# KiCad board pannel_v2.kicad_pcb
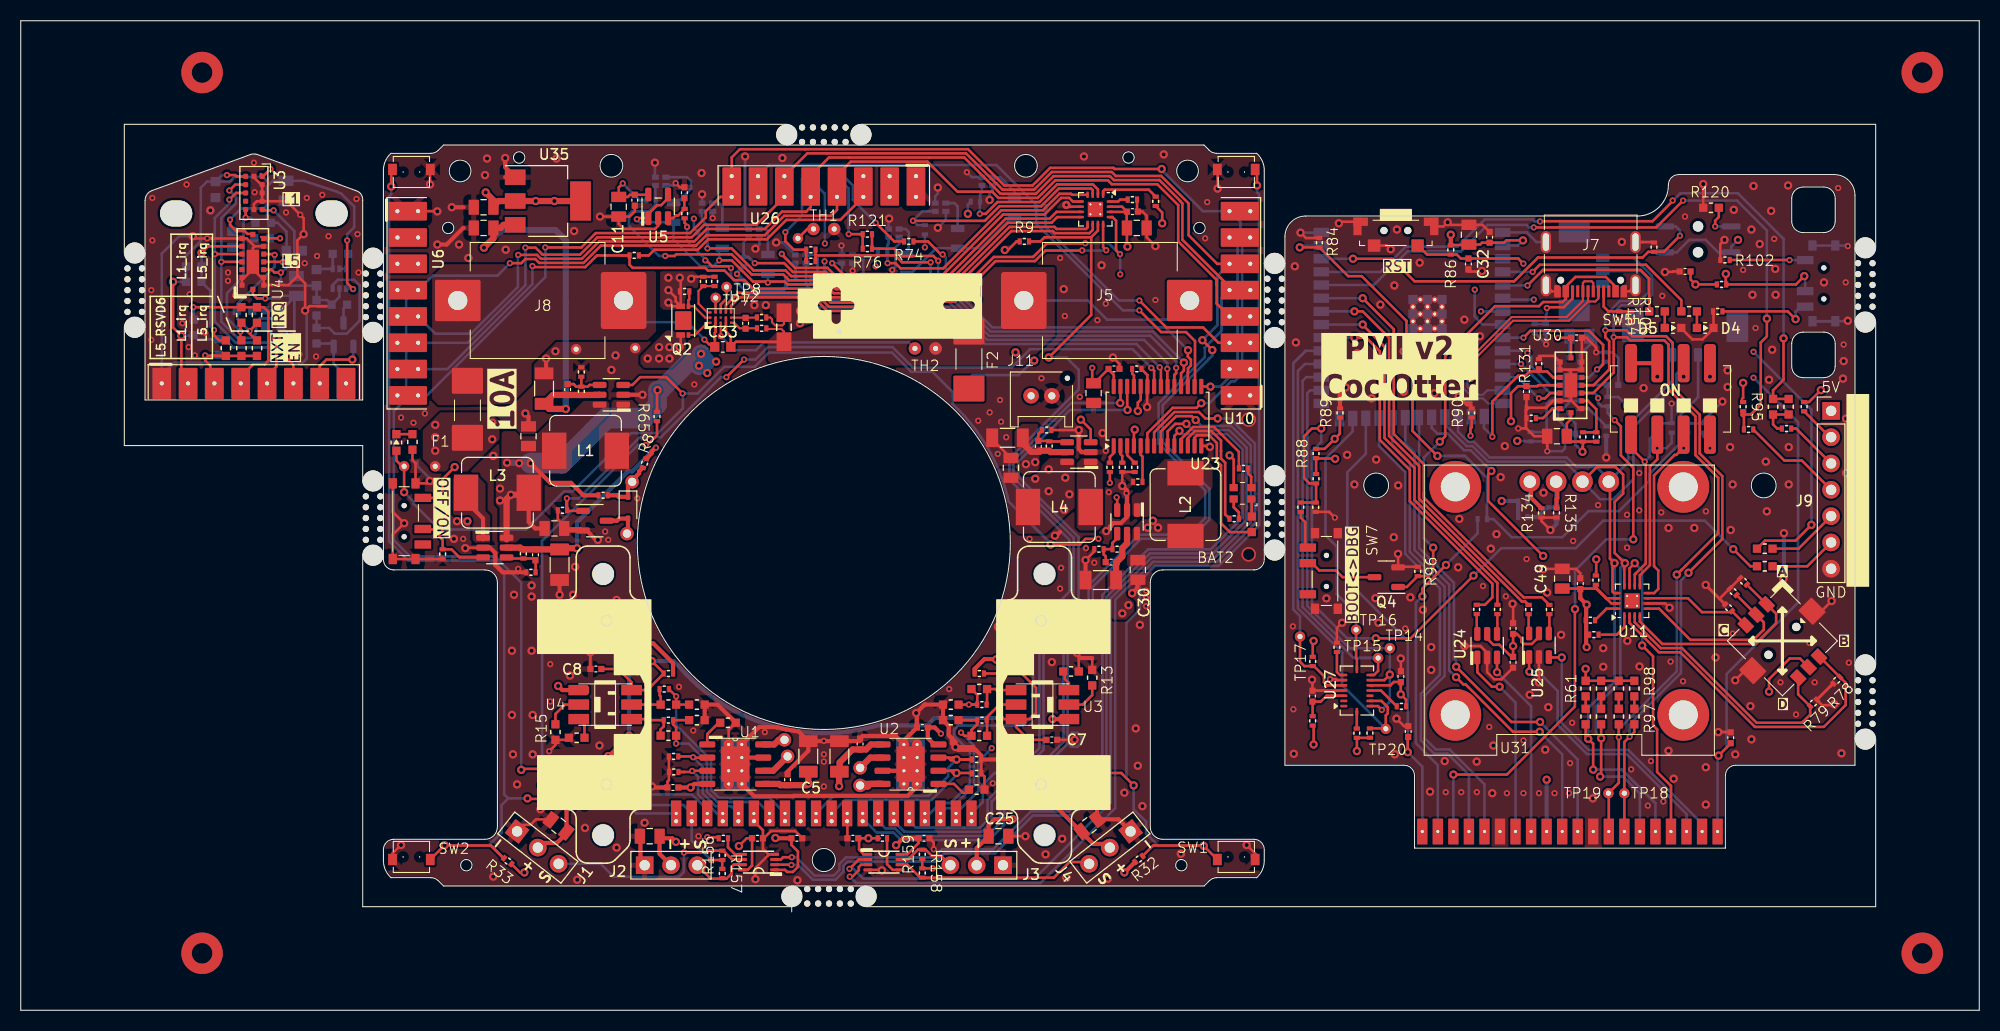
[diagram p0: board, top side]
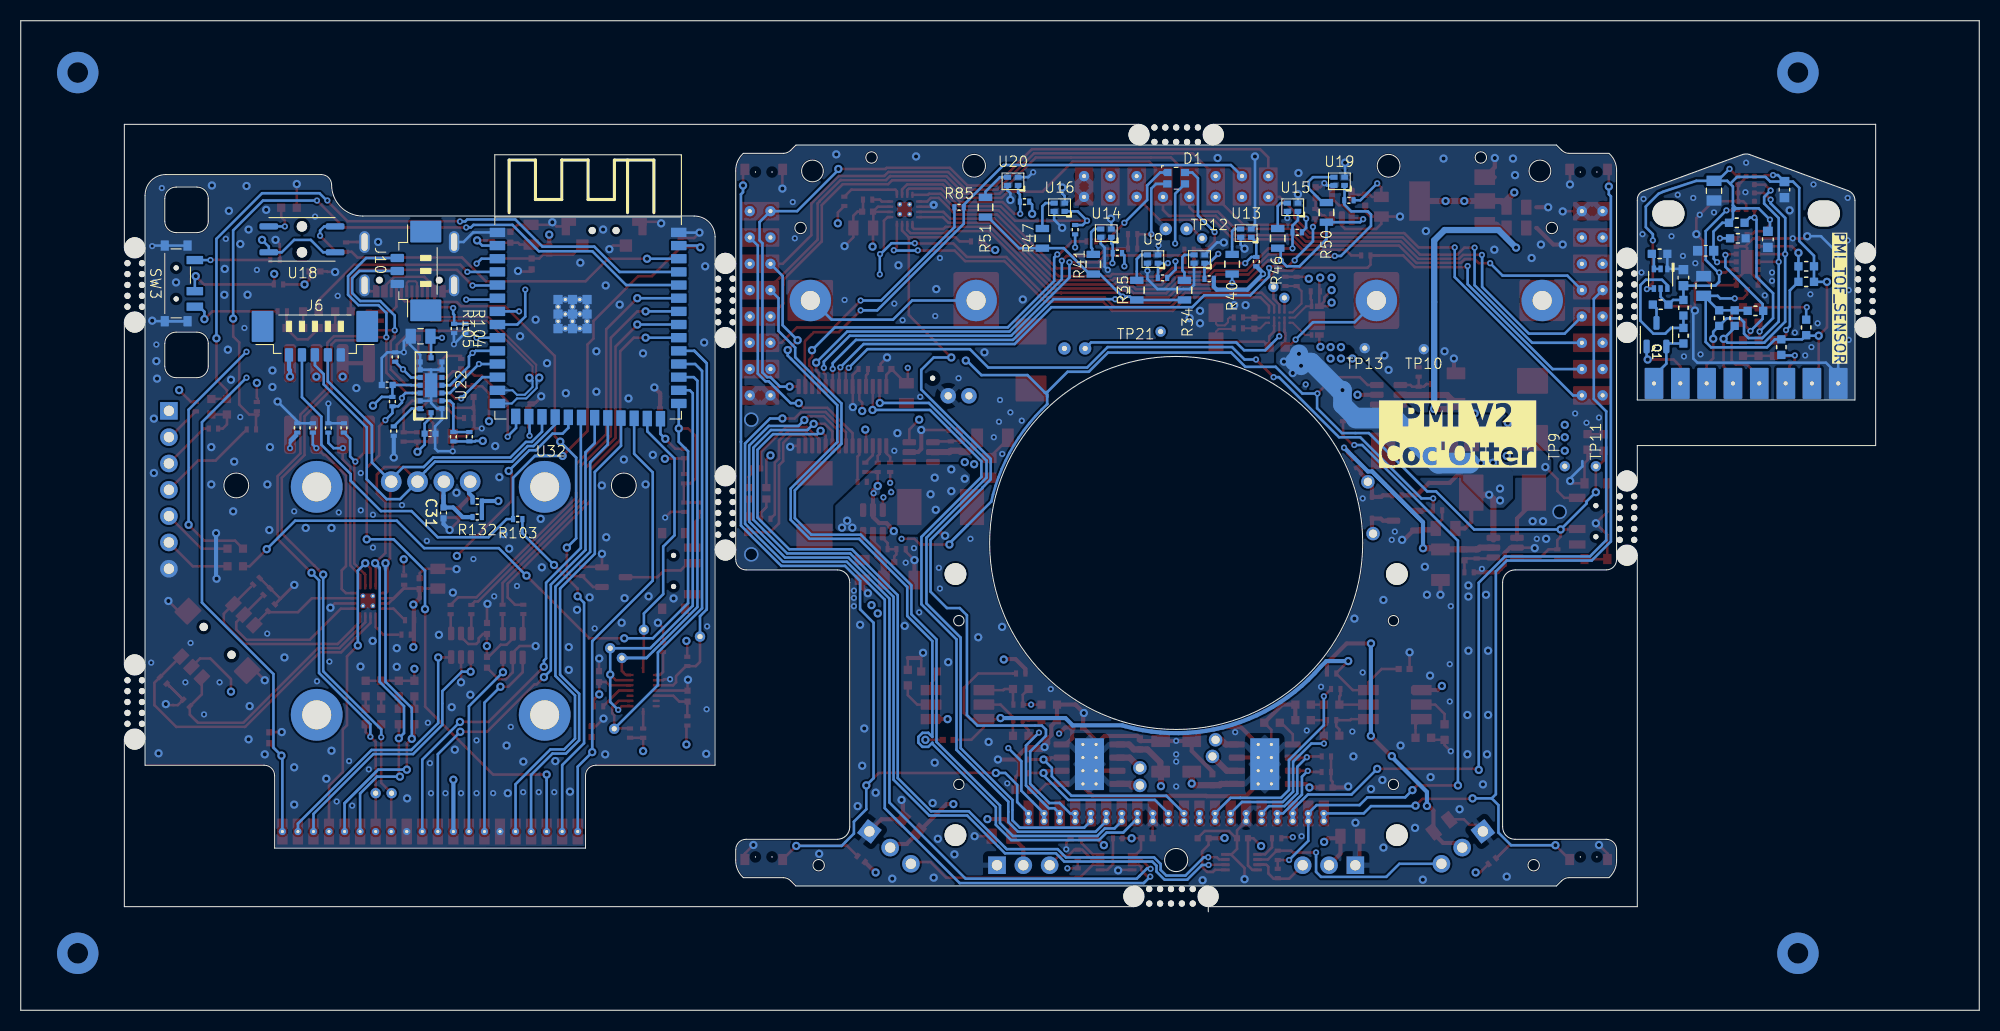
[diagram p1: board, bottom side, seen from below]

Outline 189 x 95.5 mm; copper layers: Top, In1.Cu, In2.Cu, Bottom. Coordinates in mm from the lower left corner of the outline.
Outline path: circle c41.25,75.5 r0.55 ; circle c42.4,81 r1.05 ; circle c43,14 r0.55 ; circle c48.1,82.3 r0.55 ; circle c56.53,37.6 r0.5 ; circle c56.53,21.8 r0.5 ; circle c57,81.5 r1.1 ; circle c77.5,45.1 r18 ; circle c77.5,14.5 r1.12 ; circle c97,81.5 r1.1 ; circle c98.47,37.6 r0.5 ; circle c98.47,21.8 r0.5 ; circle c106.9,82.3 r0.55 ; circle c112,14 r0.55 ; circle c112.6,81 r1.05 ; circle c113.75,75.5 r0.55 ; circle c130.8,50.65 r1.2 ; circle c168.2,50.65 r1.2 ; 10,73.1 10,85.5 73.9,85.5 ; 10,65.9 10,54.5 33,54.5 33,51.1 ; 33,43.9 33,10 74.4,10 74.4,9.5 ; 35,81 arc(35.18,81.93) 35.73,82.7 39.59,82.7 arc(39.97,82.78) 40.29,82.99 40.8,83.5 114.19,83.5 114.69,82.99 arc(115.02,82.78) 115.4,82.7 119.27,82.7 arc(119.82,81.93) 120,81 ; 35,81 35,43.5 arc(35.29,42.79) 36,42.5 44.8,42.5 arc(45.65,42.15) 46,41.3 46,17.7 arc(45.65,16.85) 44.8,16.5 36,16.5 arc(35.29,16.21) 35,15.5 35,14.5 arc(35.18,13.57) 35.73,12.8 39.59,12.8 arc(39.97,12.72) 40.29,12.51 40.8,12 114.2,12 114.71,12.51 arc(115.03,12.72) 115.41,12.8 119.27,12.8 arc(119.82,13.57) 120,14.5 120,15.5 arc(119.71,16.21) 119,16.5 110.2,16.5 arc(109.35,16.85) 109,17.7 109,41.3 arc(109.35,42.15) 110.2,42.5 119,42.5 arc(119.71,42.79) 120,43.5 120,81 ; 81.1,85.5 179,85.5 179,73.6 ; 81.6,10 179,10 179,26.15 ; 179,33.35 179,66.4 ; 0,95.5 0,0 189,0 189,95.5 0,95.5 ; 12,78.17 arc(12.19,78.74) 12.67,79.11 22.2,82.6 arc(22.5,82.64) 22.8,82.6 32.35,79.1 arc(32.84,78.75) 33,78.17 33,58.9 12,58.9 12,78.17 ; 122,74.65 arc(122.59,76.06) 124,76.65 156,76.65 arc(158.12,77.53) 159,79.65 arc(159.29,80.36) 160,80.65 175,80.65 arc(176.41,80.06) 177,78.65 177,23.65 165.5,23.65 arc(164.79,23.36) 164.5,22.65 164.5,15.65 134.5,15.65 134.5,22.65 arc(134.21,23.36) 133.5,23.65 122,23.65 122,74.65 ; 170.9,78.35 170.9,76.15 arc(171.22,75.37) 172,75.05 174,75.05 arc(174.78,75.37) 175.1,76.15 175.1,78.35 arc(174.78,79.13) 174,79.45 172,79.45 arc(171.22,79.13) 170.9,78.35 ; 170.9,64.35 170.9,62.15 arc(171.22,61.37) 172,61.05 174,61.05 arc(174.78,61.37) 175.1,62.15 175.1,64.35 arc(174.78,65.13) 174,65.45 172,65.45 arc(171.22,65.13) 170.9,64.35
Stack: Top 0.035mm / dielectric 0.1mm FR4 er 4.5 / In1.Cu 0.035mm / dielectric 1.24mm FR4 er 4.5 / In2.Cu 0.035mm / dielectric 0.1mm FR4 er 4.5 / Bottom 0.035mm

## Placement (name value [footprint] x y rotation side)
BAT2  -  [NH-B2020RGBA-HF]  117.9 49.89 180 top
C1  100nF 50V  [C_0402_1005Metric]  62.94 21.5 180 top
C2  100nF 50V  [C_0402_1005Metric]  87.01 27.29 180 top
C3  100nF 50V  [C_0402_1005Metric]  74 22.25 90 top
C4  100nF 50V  [C_0402_1005Metric]  81 25.7 90 top
C4#2  100nF 50V  [C_0603_1608Metric]  18.8 79.2 90 bottom  (not fitted)
C5  47µF 10V  [C_1206_3216Metric]  76 24.5 90 top
C5#2  10µF 25V  [C_0805_2012Metric]  25.6 79.1 270 bottom  (not fitted)
C6  47µF 10V  [C_1206_3216Metric]  79 24.5 90 top
C6#2  10µF 25V  [C_0805_2012Metric]  26.6 69.9 90 bottom
C7  100nF 50V  [C_0402_1005Metric]  99.5 26.1 0 top
C7#2  100nF 50V  [C_0603_1608Metric]  26.4 73.3 0 bottom
C8  100nF 50V  [C_0402_1005Metric]  55.5 32.94 180 top
C8#2  100nF 50V  [C_0603_1608Metric]  20.4 74.4 270 bottom
C9  100nF 50V  [C_0402_1005Metric]  64.04 78.9 90 top
C9#2  2nF 50V  [C_0603_1608Metric]  28.55 70.7 90 bottom
C10  100nF 50V  [C_0402_1005Metric]  59.26 78.18 270 top
C11  10µF 25V  [C_0805_2012Metric]  57.7 77.55 270 top
C12  100nF 50V  [C_0402_1005Metric]  133.19 32.2 90 top
C13  100nF 50V  [C_0402_1005Metric]  105.5 61.9 0 top
C14  10µF 25V  [C_0805_2012Metric]  103.53 59.56 270 top
C15  100nF 50V  [C_0402_1005Metric]  74.9 16.6 0 top
C16  100nF 50V  [C_0402_1005Metric]  144.01 36.85 90 top
C17  100nF 50V  [C_0402_1005Metric]  80.3 16.6 180 top
C18  100nF 50V  [C_0402_1005Metric]  144.01 33.59 270 top
C19  100nF 50V  [C_0402_1005Metric]  71.1 16.6 0 top
C20  100nF 50V  [C_0402_1005Metric]  124.65 30.32 90 top
C21  100nF 50V  [C_0402_1005Metric]  87.17 16.6 0 top
C22  100nF 50V  [C_0402_1005Metric]  165.01 26.3 90 top
C23  10µF 25V  [C_0805_2012Metric]  51.9 17.8 142 top
C24  10µF 25V  [C_0805_2012Metric]  60.7 16.8 180 top
C25  10µF 25V  [C_0805_2012Metric]  94.35 16.8 0 top
C26  10µF 25V  [C_0805_2012Metric]  103.12 17.85 38 top
C27  10µF 25V  [C_0805_2012Metric]  49 55.4 90 top
C28  100nF 50V  [C_0402_1005Metric]  160.61 71.31 180 top
C29  2nF 50V  [C_0402_1005Metric]  52.78 59.91 90 top
C30  10µF 25V  [C_0805_2012Metric]  107.8 42.5 270 top
C31  100nF 50V  [C_0402_1005Metric]  148.2 48 270 bottom
C32  100nF 50V  [C_0402_1005Metric]  139.7 72.03 270 top
C33  1µF 16V  [C_0603_1608Metric]  67.75 64.02 0 top
C34  100nF 50V  [C_0402_1005Metric]  141.75 74.6 90 top
C35  10µF 25V  [C_0805_2012Metric]  139.75 74.85 90 top
C36  47µF 10V  [C_1206_3216Metric]  50.5 60 90 top
C37  2nF 50V  [C_0402_1005Metric]  105.23 43.25 180 top
C38  47µF 10V  [C_1206_3216Metric]  104.23 41.52 180 top
C39  10µF 25V  [C_0805_2012Metric]  51.5 46.5 0 top
C40  10µF 25V  [C_0805_2012Metric]  95.55 52.35 90 top
C41  2nF 50V  [C_0402_1005Metric]  49.67 43.95 270 top
C42  2nF 50V  [C_0402_1005Metric]  98.2 54.42 90 top
C43  47µF 10V  [C_1206_3216Metric]  52 43 270 top
C44  47µF 10V  [C_1206_3216Metric]  95.23 55.25 180 top
C45  10µF 25V  [C_0805_2012Metric]  44.67 75.5 180 top
C46  10µF 25V  [C_0805_2012Metric]  44.67 77.5 180 top
C47  100nF 50V  [C_0402_1005Metric]  107.28 77.08 0 top
C48  10µF 25V  [C_0805_2012Metric]  107.7 75.5 0 top
C49  10µF 25V  [C_0805_2012Metric]  148.75 41.65 90 top
C50  100nF 50V  [C_0402_1005Metric]  150.5 41.17 90 top
C51  10µF 25V  [C_0805_2012Metric]  150.41 65.05 0 bottom
C52  10µF 25V  [C_0805_2012Metric]  148.25 55.4 180 top
C53  100nF 50V  [C_0402_1005Metric]  149.5 55.65 180 bottom
C54  100nF 50V  [C_0402_1005Metric]  133.89 26.9 90 top
C55  100nF 50V  [C_0402_1005Metric]  69.95 66.3 90 top
C57  100nF 50V  [C_0402_1005Metric]  153.64 60.35 0 bottom
C58  100nF 50V  [C_0402_1005Metric]  145.3 59.71 270 top
C59  100nF 50V  [C_0402_1005Metric]  150.14 64.9 0 top
D1  -  [NH-B2020RGBA-HF]  77.5 80.3 180 bottom
D2  1N5819WS  [D_SOD-323]  58.6 48.5 270 top
D4  green, 0603  [LED_0603_1608Metric]  162.55 65.85 180 top
D5  green, 0603  [LED_0603_1608Metric]  159.45 65.85 180 top
D7  green, 0603  [LED_0603_1608Metric]  36.25 54.8 270 top
F1  10A F  [JFC2410]  43.11 58 270 top
F2  10A F  [JFC2410]  91.5 62.75 90 top
H1  MountingHole  [MountingHole_2.5mm-slot_1mm]  30 76.9 0 top
H1#2  MountingHole  [MountingHole_2.1mm]  56.2 42.1 0 top
H2  MountingHole  [MountingHole_2.1mm]  56.2 16.9 0 top
H2#2  MountingHole  [MountingHole_2.5mm-slot_1mm]  15 76.9 0 top
H3  MountingHole  [MountingHole_2.1mm]  98.8 42.1 0 top
H4  MountingHole  [MountingHole_2.1mm]  98.8 16.9 0 top
J1  con_servo  [ana_servo_5V]  49.9 15.7 52 top
J1#2  -  [tof_sensor_female]  22.5 60.5 0 top
J2  con_servo  [ana_servo_5V]  62.75 14 90 top
J3  con_servo  [ana_servo_5V]  92.25 14 270 top
J4  con_servo  [ana_servo_5V]  105.1 15.7 308 top
J5  -  [254]  104.6 68.5 0 top
J6  -  [533980571]  160.61 66 180 bottom
J7  USB4105-GF-A-060  [USB4105]  151.5 76.74 180 top
J8  -  [254]  50.38 68.5 180 top
J9  ~  [eps32_uart_programmer]  174.7 57.85 0 top  (not fitted)
J10  -  [533980371]  149.91 71.35 270 bottom
J11  -  [BM02B-PASK]  98.5 59.3 0 top
J49  ~  [pmi_2023_interconnection]  149.5 17.25 0 top
J50  ~  [pmi_2023_interconnection_bot]  77.5 19 0 top
L1  2.2µH  [L_Kyocera_07A7_7.3x6.6mm]  54.5 54 0 top
L2  2.2µH  [L_Kyocera_07A7_7.3x6.6mm]  112.4 48.8 90 top
L3  2.2µH  [L_Kyocera_07A7_7.3x6.6mm]  46 49.95 180 top
L4  2.2µH  [L_Kyocera_07A7_7.3x6.6mm]  100.22 48.57 0 top
Q1  SI2310  [SOT-23-3]  55.4 47.25 0 top
Q1#2  BSS84  [SOT-23-3]  31.15 65.2 90 bottom
Q2  DMN2008LFU-7  [U-DFN2030-6]  63.93 66.56 90 top
Q4  SI2310  [SOT-23-3]  131.77 41.8 180 top  (not fitted)
Q4#2  BSS8402DW-7-F  [SOT-363_SC-70-6]  30.75 70.6 270 bottom
R1  91k 1%  [r0402_reflow]  63 24.5 180 top
R2  91k 1%  [r0402_reflow]  92.25 22.87 0 top
R3  91k 1%  [r0402_reflow]  63.02 23 180 top
R4  0R  [r0603_reflow]  21.3 63.9 270 top  (not fitted)
R4#2  91k 1%  [r0402_reflow]  92.25 24.2 0 top
R5  91k 1%  [r0402_reflow]  52.28 48.25 180 top
R5#2  0R  [r0603_reflow]  22.8 63.9 270 top
R6  768R 1%  [r0603_reflow]  92.25 21.3 0 top  (not fitted)
R6#2  0R  [r0603_reflow]  19.8 63.9 270 top  (not fitted)
R7  768R 1%  [r0603_reflow]  68.25 27.75 0 top  (not fitted)
R7#2  10k 1%  [r0603_reflow]  19.1 64 270 bottom  (not fitted)
R8  0R  [r0402_reflow]  60.2 52.8 70 top  (not fitted)
R8#2  10k 1%  [r0603_reflow]  23.4 76 180 bottom  (not fitted)
R9  91k 1%  [r0402_reflow]  96.85 74.2 0 top
R9#2  10k 1%  [r0603_reflow]  23.6 66.8 270 bottom  (not fitted)
R10  0R  [r0402_reflow]  107.27 78.24 0 top
R10#2  10k 1%  [r0603_reflow]  25.1 66.8 270 bottom  (not fitted)
R11  100R  [r0402_reflow]  76.25 72.3 180 top
R11#2  91k 1%  [r0603_reflow]  16.7 71.8 0 bottom
R12  91k 1%  [r0402_reflow]  109.53 78.07 90 top
R12#2  91k 1%  [r0603_reflow]  16.7 70.3 0 bottom
R13  240R 1%  [r0603_reflow]  103.4 32.1 90 top
R13#2  10k 1%  [r0603_reflow]  21.6 67.5 180 bottom
R14  240R 1%  [r0603_reflow]  101.35 32.7 0 top
R14#2  10k 1%  [r0603_reflow]  23.3 74.5 180 bottom
R15  240R 1%  [r0603_reflow]  51.6 26.85 270 top
R15#2  91k 1%  [r0603_reflow]  28.55 67.8 90 bottom
R16  240R 1%  [r0603_reflow]  53.65 26.3 180 top
R16#2  3k3 1%  [r0603_reflow]  30.75 68.1 180 bottom
R17  0R  [r0402_reflow]  92.76 28 180 top
R17#2  91k 1%  [r0603_reflow]  30.85 73 180 bottom
R18  1k3 1%  [r0603_reflow]  89.75 28 180 top
R18#2  91k 1%  [r0603_reflow]  28.55 65.1 270 bottom
R19  1k 1%  [r0603_reflow]  92.5 26.49 180 top  (not fitted)
R20  0R  [r0402_reflow]  62.1 31 0 top
R20#2  0R  [r0603_reflow]  21.3 67.1 90 top  (not fitted)
R21  0R  [r0603_reflow]  22.8 67.1 90 top
R21#2  1k3 1%  [r0603_reflow]  65.25 29.5 0 top
R22  0R  [r0402_reflow]  92.76 29.5 180 top
R23  1k3 1%  [r0603_reflow]  89.75 29.5 180 top
R24  1k 1%  [r0603_reflow]  62.5 29.5 0 top  (not fitted)
R25  1k 1%  [r0603_reflow]  92.5 31 180 top  (not fitted)
R25#2  10k 1%  [r0603_reflow]  16.7 65.9 90 bottom  (not fitted)
R26  0R  [r0402_reflow]  62.5 28 0 top
R27  1k3 1%  [r0603_reflow]  65.25 28 0 top
R28  1k 1%  [r0603_reflow]  62.5 26.5 0 top  (not fitted)
R29  0R  [r0402_reflow]  62.5 32.5 0 top  (not fitted)
R30  0R  [r0402_reflow]  92.5 32.5 180 top
R31  91k 1%  [r0402_reflow]  64.07 76.89 90 top
R32  91k 1%  [r0402_reflow]  107.9 14.6 38 top
R33  91k 1%  [r0402_reflow]  47 14.4 142 top
R34  82R  [r0805_reflow]  76.7 69.5 90 bottom
R35  82R  [r0805_reflow]  81.3 69.5 90 bottom
R36  27k 1%  [r0402_reflow]  74.32 70.59 0 bottom
R37  27k 1%  [r0402_reflow]  78.82 70.68 0 bottom
R38  91k 1%  [r0402_reflow]  130.2 26.75 90 top
R39  0R  [r0402_reflow]  127.01 35.03 90 top
R40  82R  [r0805_reflow]  72.1 72 90 bottom
R41  82R  [r0805_reflow]  85.5 72 90 bottom
R42  27k 1%  [r0402_reflow]  69.77 72.25 90 bottom
R43  27k 1%  [r0402_reflow]  83.17 73.08 0 bottom
R44  91k 1%  [r0402_reflow]  124.68 33.66 270 top
R45  91k 1%  [r0402_reflow]  128.93 26.74 90 top  (not fitted)
R46  82R  [r0805_reflow]  67.7 74.5 90 bottom
R47  82R  [r0805_reflow]  90.41 74.5 90 bottom
R48  27k 1%  [r0402_reflow]  65.82 75.08 0 bottom
R49  27k 1%  [r0402_reflow]  87.25 75.33 90 bottom
R50  82R  [r0805_reflow]  63 77 90 bottom
R51  82R  [r0805_reflow]  95.9 77.5 90 bottom
R52  27k 1%  [r0402_reflow]  60.83 78.17 0 bottom
R53  27k 1%  [r0402_reflow]  92.13 78.04 0 bottom
R54  0R  [r0402_reflow]  107.7 61.9 0 top
R55  1k 1%  [r0603_reflow]  152.51 31.05 270 top
R56  0R  [r0402_reflow]  106.3 52.4 270 top
R57  0R  [r0402_reflow]  105.1 52.4 90 top
R58  0R  [r0402_reflow]  107.5 52.4 270 top
R59  1k 1%  [r0603_reflow]  152.51 28.35 270 top
R60  0R  [r0402_reflow]  107.8 51 180 top
R61  1k 1%  [r0603_reflow]  151.01 31.05 270 top
R62  100R  [r0402_reflow]  117.1 47.43 180 top
R63  100R  [r0402_reflow]  118 52.3 180 top
R64  390R 1%  [r0603_reflow]  118.8 46.9 270 top
R65  0R  [r0402_reflow]  61.4 57.3 90 top  (not fitted)
R66  68k 1%  [r0402_reflow]  54.1 59.74 90 top
R67  91k 1%  [r0402_reflow]  105.8 44.5 180 top
R68  91k 1%  [r0402_reflow]  157.81 56.2 90 bottom
R69  91k 1%  [r0402_reflow]  159.31 56.2 90 bottom
R70  91k 1%  [r0402_reflow]  160.81 56.2 90 bottom
R71  91k 1%  [r0402_reflow]  162.31 56.2 90 bottom
R72  91k 1%  [r0402_reflow]  164.8 38.85 135 top
R73  91k 1%  [r0402_reflow]  166.25 41.4 135 top
R74  100R  [r0402_reflow]  85.7 74.2 180 top
R75  0R  [r0402_reflow]  56.2 49.7 180 top
R76  100R  [r0402_reflow]  81.7 73.5 180 top
R77  91k 1%  [r0402_reflow]  165.25 40.4 135 top
R78  91k 1%  [r0402_reflow]  175.24 31.85 225 top
R79  91k 1%  [r0402_reflow]  173 29.65 45 top
R80  0R  [r0402_reflow]  124.97 48.55 270 top  (not fitted)
R81  100R  [r0402_reflow]  71.5 65.82 180 top
R82  1k 1%  [r0603_reflow]  161 67.45 0 top
R83  1k 1%  [r0603_reflow]  157.9 67.45 0 top
R84  91k 1%  [r0402_reflow]  125.32 74.08 90 top
R85  0R  [r0402_reflow]  98.45 77.5 180 bottom
R86  91k 1%  [r0402_reflow]  138 73.38 270 top
R87  0R  [r0402_reflow]  59.2 72.85 180 top
R88  91k 1%  [r0402_reflow]  125 53.73 90 top  (not fitted)
R89  91k 1%  [r0402_reflow]  127.31 57.65 90 top
R90  91k 1%  [r0402_reflow]  140.01 57.65 90 top
R91  1k 1%  [r0603_reflow]  169.1 58.25 270 top
R92  1k 1%  [r0603_reflow]  170.6 58.25 270 top
R93  91k 1%  [r0402_reflow]  125 51.3 270 top
R94  10k 1%  [r0402_reflow]  123.53 48.55 270 top  (not fitted)
R95  91k 1%  [r0402_reflow]  166.21 58.25 270 top
R96  91k 1%  [r0402_reflow]  134.81 42.35 90 top  (not fitted)
R97  1k 1%  [r0603_reflow]  155.71 28.35 270 top
R98  1k 1%  [r0603_reflow]  155.71 31.05 270 top
R99  1k 1%  [r0603_reflow]  154.21 31.05 270 top
R100  1k 1%  [r0603_reflow]  154.21 28.35 270 top
R101  91k 1%  [r0402_reflow]  133.24 29.33 180 top  (not fitted)
R102  0R  [r0402_reflow]  164.46 72.41 180 top  (not fitted)
R103  0R  [r0402_reflow]  141.04 47.4 180 bottom
R104  10k 1%  [r0402_reflow]  146.09 65.8 270 bottom
R105  10k 1%  [r0402_reflow]  147.18 65.8 270 bottom
R106  10k 1%  [r0402_reflow]  155.41 67 270 top
R107  10k 1%  [r0402_reflow]  54.1 61.6 90 top
R108  10k 1%  [r0402_reflow]  104.05 44.5 180 top
R109  0R  [r0402_reflow]  163.76 67.45 180 top
R110  91k 1%  [r0402_reflow]  48.5 44.05 270 top
R111  10k 1%  [r0402_reflow]  49.23 42.27 180 top
R112  91k 1%  [r0402_reflow]  99.25 54.45 90 top
R113  10k 1%  [r0402_reflow]  99 56 0 top
R114  1k 1%  [r0603_reflow]  37.8 54.85 270 top
R115  91k 1%  [r0402_reflow]  152 41.51 90 top
R116  91k 1%  [r0402_reflow]  151.81 36.25 0 top
R117  100R  [r0402_reflow]  76.25 73.4 180 top
R118  0R  [r0402_reflow]  151.47 37.65 0 top
R119  91k 1%  [r0402_reflow]  164.13 70.05 0 top
R120  390R 1%  [r0603_reflow]  163.11 77.45 180 top
R121  100R  [r0402_reflow]  81.7 74.9 180 top
R122  10k 1%  [r0402_reflow]  157.61 73.65 90 top
R123  10k 1%  [r0402_reflow]  153.13 58.74 270 bottom
R124  10k 1%  [r0402_reflow]  153 55.9 270 bottom
R125  91k 1%  [r0402_reflow]  147.25 55.35 90 bottom
R126  91k 1%  [r0402_reflow]  145.7 55.35 90 bottom
R127  91k 1%  [r0402_reflow]  152.86 63.05 90 bottom
R128  10k 1%  [r0402_reflow]  145.76 57.15 180 top
R129  91k 1%  [r0402_reflow]  152.05 55.33 90 top
R130  91k 1%  [r0402_reflow]  150.75 55.33 90 top
R131  91k 1%  [r0402_reflow]  146.5 62.4 90 top
R132  0R  [r0402_reflow]  144.95 47.6 180 bottom  (not fitted)
R133  0R  [r0402_reflow]  144.95 49.1 180 bottom  (not fitted)
R134  0R  [r0402_reflow]  146.75 48 90 top
R135  0R  [r0402_reflow]  148.2 48 270 top
R136  0R  [r0402_reflow]  166.74 56.05 0 top
R137  0R  [r0402_reflow]  170.4 56.14 0 top
R138  0R  [r0402_reflow]  172.1 58.25 270 top
R139  390R 1%  [r0603_reflow]  168.3 44.55 0 top
R140  390R 1%  [r0603_reflow]  168.3 42.85 0 top
R141  0R  [r0402_reflow]  124.67 27.93 90 top
R142  0R  [r0402_reflow]  67.8 16.6 0 top
R143  0R  [r0402_reflow]  83.15 16.6 0 top
R144  100R  [r0402_reflow]  140.5 38.69 90 top
R145  100R  [r0402_reflow]  142.5 38.69 90 top
R146  100R  [r0402_reflow]  145.51 38.67 90 top
R147  100R  [r0402_reflow]  147.51 38.67 90 top
R148  91k 1%  [r0402_reflow]  40.72 44.03 270 top
R149  1k 1%  [r0603_reflow]  151.01 28.35 270 top
R150  3mR 0805 500mW  [PA0805]  73.65 65.92 90 top
R151  10M  [r0402_reflow]  64.07 69.38 180 top
R152  10k 1%  [r0402_reflow]  65.87 70.34 270 top
R153  10k 1%  [r0402_reflow]  66.96 70.34 270 top
R154  10k 1%  [r0402_reflow]  154.25 67 270 top
R155  100R  [r0402_reflow]  71.49 66.87 180 top
R156  0R  [r0402_reflow]  67.7 14.95 90 top  (not fitted)
R157  0R  [r0402_reflow]  67.7 13.2 270 top  (not fitted)
R158  0R  [r0402_reflow]  87 13.25 270 top
R159  0R  [r0402_reflow]  87 15.05 90 top
REF**  -  [mice_bite_2mm_both_sides]  11 69.5 0 top
REF**#2  -  [mice_bite_2mm_both_sides]  121 68.5 0 top
REF**#3  -  [mice_bite_2mm_both_sides]  178 29.75 0 top
REF**#4  -  [mice_bite_2mm_both_sides]  78 11 90 top
REF**#5  -  [mice_bite_2mm_both_sides]  178 70 0 top
REF**#6  -  [mice_bite_2mm_both_sides]  34 47.5 0 top
REF**#7  -  [mice_bite_2mm_both_sides]  34 69 0 top
REF**#8  -  [mice_bite_2mm_both_sides]  77.5 84.5 90 top
REF**#9  -  [mice_bite_2mm_both_sides]  121 48 0 top
SW1  -  [ESE58R11B]  117.3 14.8 180 top
SW2  -  [ESE58L11B]  37.7 14.8 180 top
SW3  -  [MSS12C02LS-BB2.0]  174 70.15 270 bottom
SW4  -  [TM-4175-B-A]  170 35.65 135 top
SW5  -  [HAD-04HWAG-2]  159.2 59 0 top
SW6  -  [ESE58L11B]  117.3 80.9 0 top
SW7  -  [MSS12C02LS-BB2.0]  126 42.4 90 top  (not fitted)
SW8  -  [MSS12C02LS-BB2.0]  37 47.2 270 top
SW9  -  [ESE58R11B]  37.7 80.9 0 top
SW10  -  [TSB001A3526A02]  132.7 75.25 0 top
TH1  NRNE104H3435B2H  [CTN-NRN]  77.5 75.4 0 top
TH2  NRNE104H3435B2H  [CTN-NRN]  87.28 63.87 0 top
TP1  TestPoint  [testpoint-THT-0.8mm]  59 51 0 top
TP2  TestPoint  [testpoint-THT-0.8mm]  58.5 46 0 top
TP3  TestPoint  [testpoint-THT-0.8mm]  74 24.5 180 top
TP4  TestPoint  [testpoint-THT-0.8mm]  73.7 26.1 180 top
TP5  TestPoint  [testpoint-THT-0.8mm]  81 23.4 0 top
TP6  TestPoint  [testpoint-THT-0.8mm]  81 21.7 0 top
TP7  TestPoint  [testpoint-THT-0.5mm]  67.06 68.76 0 top
TP8  TestPoint  [testpoint-THT-0.5mm]  68.12 69.81 0 top
TP9  TestPoint  [testpoint-THT-0.5mm]  40 52.5 180 bottom
TP10  TestPoint  [testpoint-THT-0.5mm]  53.6 63.8 180 bottom
TP11  TestPoint  [testpoint-THT-0.5mm]  37 52.5 180 bottom
TP12  TestPoint  [testpoint-THT-0.5mm]  75 74.5 180 bottom
TP13  TestPoint  [testpoint-THT-0.5mm]  59.3 63.9 180 bottom
TP14  TestPoint  [testpoint-THT-0.5mm]  132.11 34.94 0 top
TP15  TestPoint  [testpoint-THT-0.5mm]  130.99 34 0 top
TP16  TestPoint  [testpoint-THT-0.5mm]  128.86 36.73 0 top
TP17  TestPoint  [testpoint-THT-0.5mm]  123.45 36.06 0 top
TP18  TestPoint  [testpoint-THT-0.5mm]  154.75 20.95 90 top
TP19  TestPoint  [testpoint-THT-0.5mm]  153.21 20.95 90 top
TP20  TestPoint  [testpoint-THT-0.5mm]  131.73 27.17 0 top
TP21  TestPoint  [testpoint-THT-0.5mm]  79 65.5 180 bottom
U1  DRV8231ADDAR  [DDA0008B]  68.95 23.75 0 top
U2  DRV8231ADDAR  [DDA0008B]  85.87 23.75 180 top
U3  VL53L1CXV0FY1  [ST_VL53L1x]  22.5 77.4 270 top  (not fitted)
U3#2  -  [EESX1321]  98.6 29.5 180 top
U4  -  [EESX1321]  56.4 29.5 0 top
U4#2  VL53L5CXV0GC  [VL53L5CX]  22.5 69.9 90 top
U5  AD8531ARTZ  [SOT-23-5]  61.51 77.59 90 top
U6  tof_sensor_master  [tof_sensor_male]  37.35 68.23 270 top
U7  TCA6408ARGTR  [VQFN-16-1EP_3x3mm_P0.5mm_EP1.1x1.1mm]  103.7 77.3 270 top
U8  ITR1204SR10A/TR  [ITR1204SR10A]  75.25 72.5 180 bottom
U9  ITR1204SR10A/TR  [ITR1204SR10A]  79.75 72.5 180 bottom
U10  tof_sensor_master  [tof_sensor_male]  117.65 68.23 90 top
U11  TCA6408ARGTR  [VQFN-16-1EP_3x3mm_P0.5mm_EP1.1x1.1mm]  155.5 39.51 90 top
U12  BQ27Z746  [YAH0015]  67.55 66.85 90 top
U13  ITR1204SR10A/TR  [ITR1204SR10A]  70.75 75 180 bottom
U14  ITR1204SR10A/TR  [ITR1204SR10A]  84.25 75 180 bottom
U15  ITR1204SR10A/TR  [ITR1204SR10A]  66.25 77.5 180 bottom
U16  ITR1204SR10A/TR  [ITR1204SR10A]  88.75 77.5 180 bottom
U17  SN74LVC2T45DCU  [VSSOP-8-DCU]  83.3 14.3 0 top  (not fitted)
U18  -  [RPI-0352E]  161.86 74.4 0 bottom
U19  ITR1204SR10A/TR  [ITR1204SR10A]  61.75 80 180 bottom
U20  ITR1204SR10A/TR  [ITR1204SR10A]  93.25 80 180 bottom
U21  SN74LVC2T45DCU  [VSSOP-8-DCU]  71.2 14.3 180 top
U22  VL53L5CXV0GC  [VL53L5CX]  149.5 62.65 270 bottom  (not fitted)
U23  PCA9685PW  [TSSOP-28_4.4x9.7mm_P0.65mm]  109.7 57.34 90 top
U24  SN74LVC2G17DBV  [SOT-23-6]  141.51 35.19 90 top
U25  SN74LVC2G17DBV  [SOT-23-6]  146.51 35.22 90 top
U26  tof_sensor_master  [tof_sensor_male_without_center]  77.5 79.5 180 top
U27  BMI088  [Bosch_LGA-16_4.5x3mm_P0.5mm_LayoutBorder7x1y_ClockwisePinNumbering]  128.94 30.86 90 top
U28  TLV61070A  [SOT-23-6]  57 59.4 180 top
U29  TLV61070A  [SOT-23-6]  106.76 47.14 270 top
U30  VL53L5CXV0GC  [VL53L5CX]  149.5 62.65 270 top
U31  ~  [OLED_0.96inch]  149.44 38.62 0 top  (not fitted)
U32  -  [ESP32-S3-WROOM-1]  134.25 66.81 180 bottom
U33  TLV61070A  [SOT-23-6]  45.75 44.65 0 top
U34  TLV61070A  [SOT-23-6]  102.11 53.87 180 top
U35  LDL1117S33R  [SOT-223]  50.87 78.1 0 top
